# Altium PCB CM3_IO_V1.3_20220317.PcbDoc (part 7 of 7)
Units mil, origin at the board's own origin, x right, y up, seen from the top; angles counter-clockwise.
Board outline 6299.61 x 3544.09 mil, 4 copper layers (Top, GND, Power, Bottom), stack 35.4 mil thick; 551 components, 415 nets, 1958 pads, 2673 vias.
Unrouted connection lines stored in the file: 298.
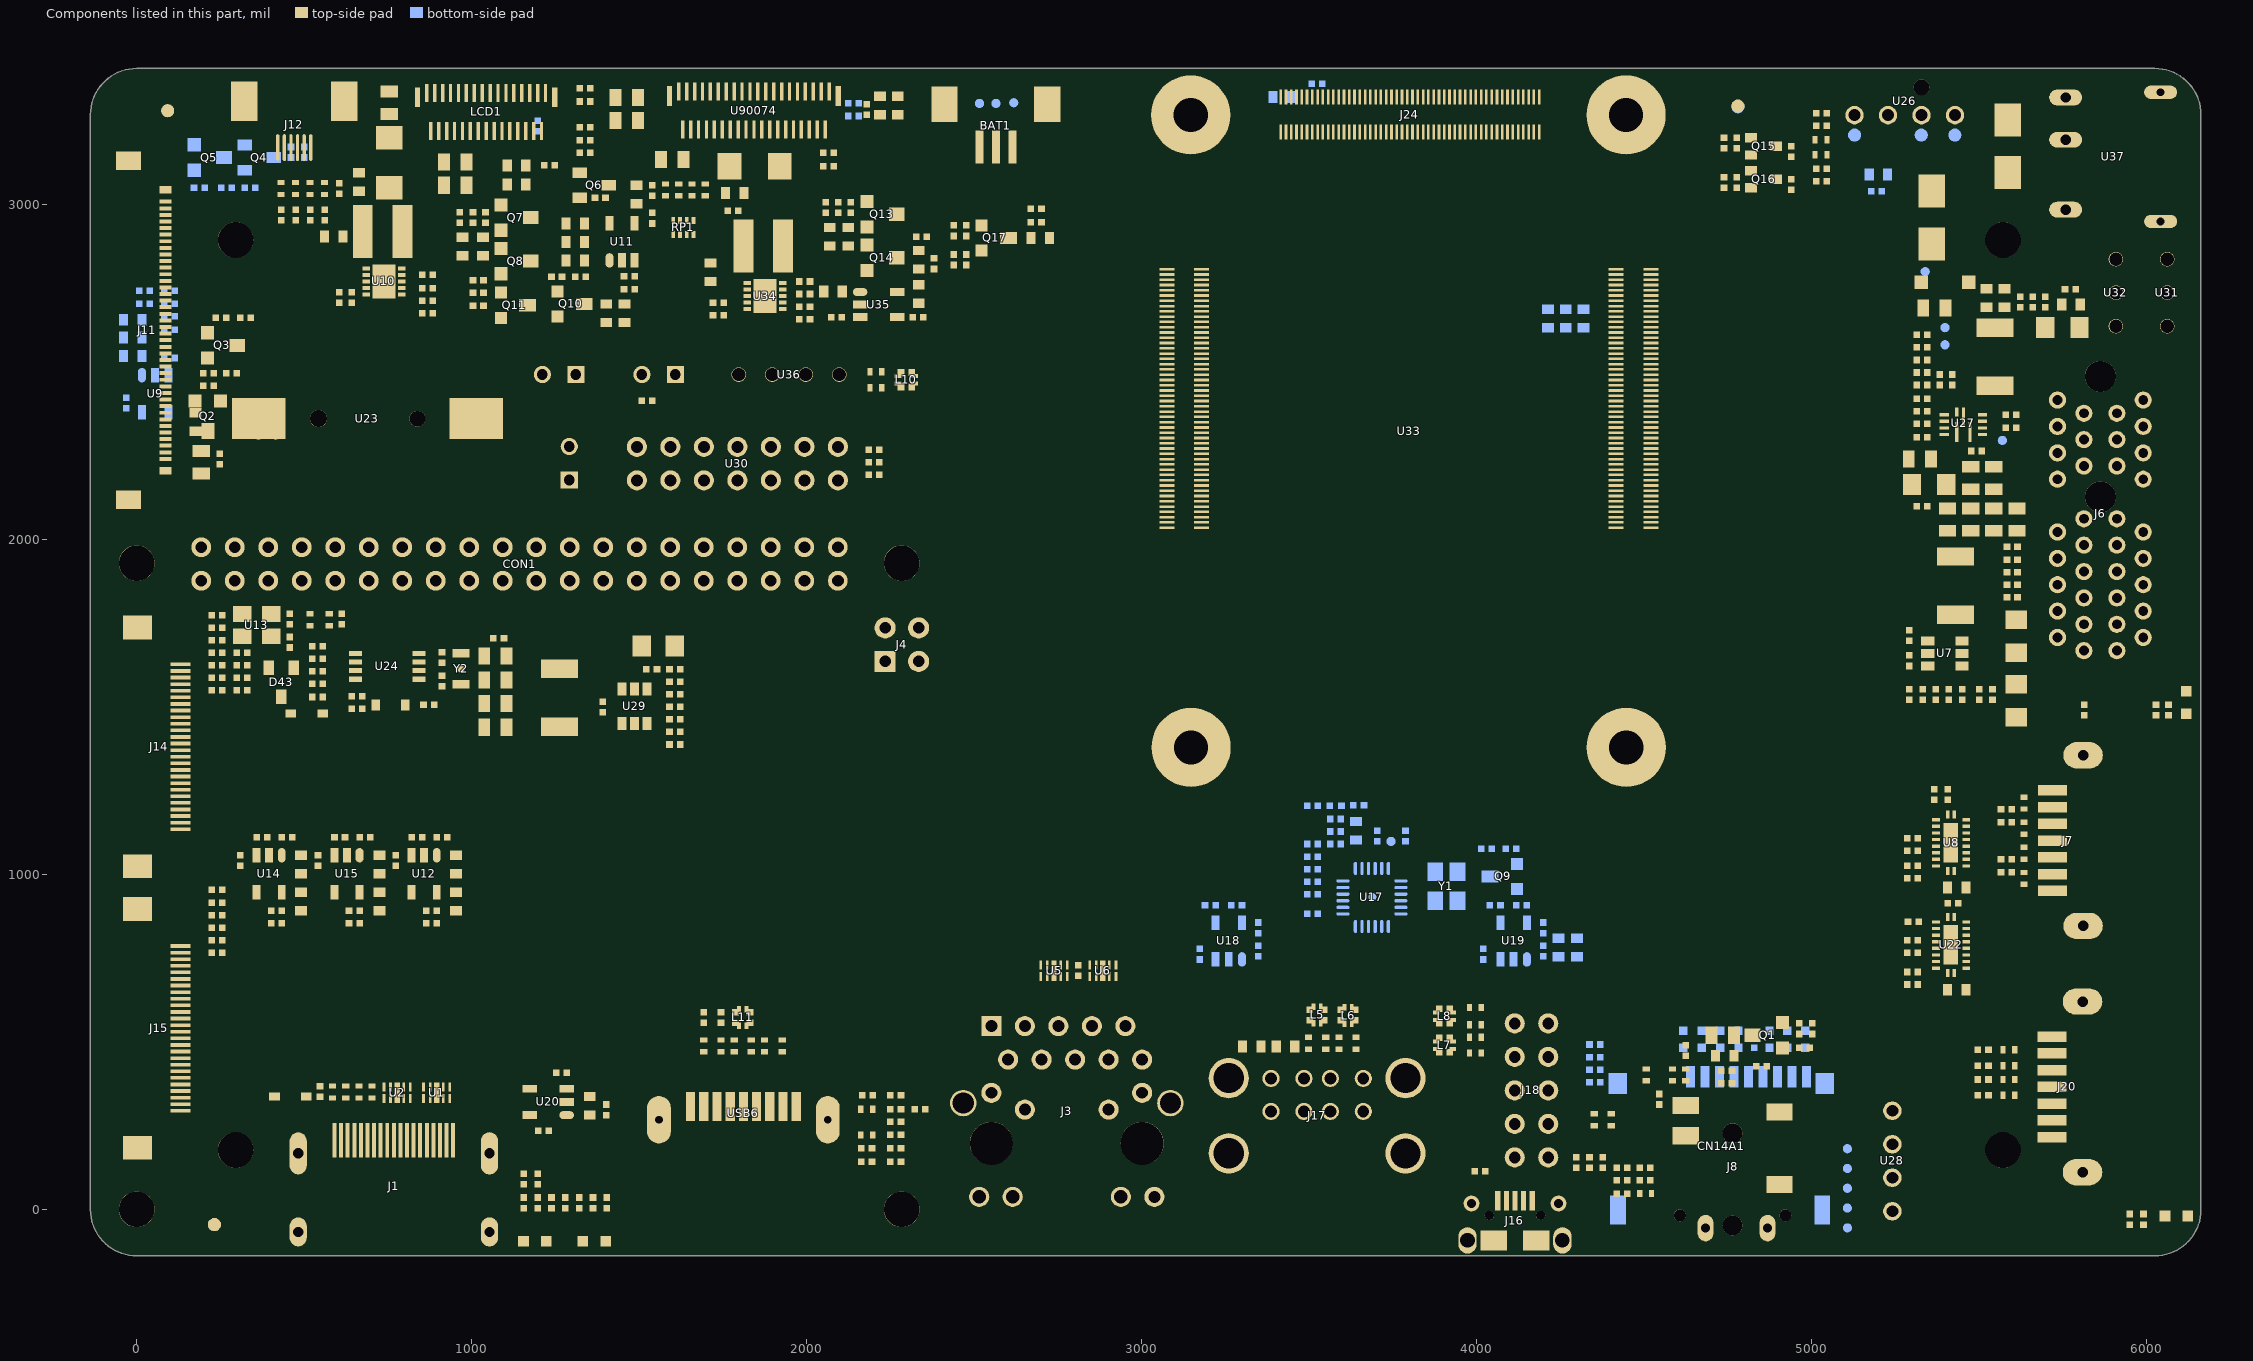
[diagram p9: the components of this part, seen from the top]

## Keep-outs (continued)
Bottom:
  region: 2364.17,1627.95 2372.05,1627.95 2372.05,1734.25 2364.17,1734.25 2364.17,1627.95
  region: 5269.69,3232.28 5437.01,3232.28 5437.01,3265.75 5269.69,3265.75 5269.69,3232.28
  region: 74.8,2968.5 47.24,2968.5 47.24,2750 74.8,2750 74.8,2968.5
  region: 3486.22,1627.95 4165.35,1627.95 4165.35,1562.99 3486.22,1562.99 3486.22,1627.95
  region: 4037.4,2948.82 4086.61,2948.82 4086.61,2954.72 4037.4,2954.72 4037.4,2948.82
  region: 1061.02,3078.74 2966.54,3078.74 2966.54,2862.2 1061.02,2862.2 1061.02,3078.74
  region: 1015.75,3259.84 1137.8,3259.84 1137.8,2996.06 1015.75,2996.06 1015.75,3259.84
  region: 956.69,3194.88 1009.84,3194.88 1009.84,3185.04 956.69,3185.04 956.69,3194.88
  region: 2448.82,1190.94 2468.5,1190.94 2468.5,1135.83 2448.82,1135.83 2448.82,1190.94
  region: 1905.51,3212.6 1964.57,3212.6 1964.57,3169.29 1905.51,3169.29 1905.51,3212.6
  region: 4187.01,2683.07 4397.64,2683.07 4397.64,2633.86 4187.01,2633.86 4187.01,2683.07
  region: 5125.98,3157.48 5198.82,3157.48 5198.82,3175.2 5125.98,3175.2 5125.98,3157.48
  region: 1356.3,2694.88 1370.08,2694.88 1370.08,2665.35 1356.3,2665.35 1356.3,2694.88
  region: 5261.81,3232.28 5277.56,3232.28 5277.56,3257.87 5261.81,3257.87 5261.81,3232.28
  region: 3675.2,2897.64 3921.26,2897.64 3921.26,2856.3 3675.2,2856.3 3675.2,2897.64
  region: 1988.19,3127.95 2919.29,3127.95 2919.29,3086.61 1988.19,3086.61 1988.19,3127.95
Keep-Out Layer:
  the board outline again, w3.94

## Other copper
Top:
  region net VCC12V_DCIN: 5326.77,2277.56 5171.26,2277.56 5171.26,2080.71 5326.77,2080.71 5326.77,2277.56
  region net VBUS: 4592.52,3177.17 4631.89,3177.17 4631.89,3139.76 4592.52,3139.76 4592.52,3177.17
  region net VCC5V_P: 1464.57,2795.28 1403.54,2795.28 1403.54,2690.94 1464.57,2690.94 1464.57,2795.28
  region net BAT_3V7_LOSE: 3553.15,3261.81 3590.55,3261.81 3590.55,3342.52 3553.15,3342.52 3553.15,3261.81
  region net VCC12V_DCIN: 5322.83,2561.02 5265.75,2561.02 5265.75,2663.39 5322.83,2663.39 5322.83,2561.02
  region net VCC5V0_USB1: 3342.52,755.91 3419.29,755.91 3419.29,267.72 3342.52,267.72 3342.52,755.91
  region net VCC5V_P: 1311.02,2685.04 1474.41,2685.04 1474.41,2716.54 1311.02,2716.54 1311.02,2685.04
  region net N17840574: 5318.9,2990.16 5456.69,2990.16 5523.62,3057.09 5523.62,3139.76 5610.24,3226.38 5807.09,3226.38 5807.09,3368.11 5525.59,3368.11 5466.54,3309.06 5466.54,3251.97 5444.88,3230.31 5318.9,3230.31 5318.9,2990.16
  region net VCC3V3_SYS: 2051.18,2891.73 2090.55,2891.73 2090.55,2803.15 2051.18,2803.15 2051.18,2891.73
  region net VCC12V: 208.66,2505.91 145.67,2505.91 145.67,2364.17 208.66,2364.17 208.66,2505.91
  region net VCC5V_P: 1360.24,2822.83 1427.17,2822.83 1427.17,2692.91 1360.24,2692.91 1360.24,2822.83
  region net VCC3V3_SYS: 942.91,1167.32 968.5,1167.32 968.5,1127.95 942.91,1127.95 942.91,1167.32
  region net VCC3V3_SD_1: 4750,545.28 4789.37,545.28 4789.37,322.83 4750,322.83 4750,545.28
  region net BAT_3V7_LOSE: 2537.4,3289.37 2578.74,3289.37 2578.74,3120.08 2537.4,3120.08 2537.4,3289.37
  region net N17840574: 5543.31,3194.88 5657.48,3194.88 5716.54,3253.94 5716.54,3267.72 5543.31,3267.72 5543.31,3194.88
  region net VCC3V3_SYS: 992.13,2860.24 950.79,2860.24 950.79,2791.34 992.13,2791.34 992.13,2860.24
  region net VCC5V0_USB: 2106.3,2803.15 2143.7,2803.15 2143.7,2889.76 2106.3,2889.76 2106.3,2803.15
  region net USB_5V_IN: 3466.54,3364.17 3425.2,3364.17 3425.2,3261.81 3466.54,3261.81 3466.54,3364.17
  region net N19662232: 277.56,2505.91 220.47,2505.91 220.47,2391.73 277.56,2391.73 277.56,2505.91
  region net N19638712: 1379.92,1505.91 1462.6,1505.91 1462.6,1547.24 1379.92,1547.24 1379.92,1505.91
  region net N17923771: 594.49,3041.34 622.05,3041.34 635.83,3055.12 704.72,3055.12 704.72,2840.55 671.26,2840.55 663.39,2832.68 663.39,2801.18 669.29,2795.28 694.88,2795.28 694.88,2783.46 620.08,2783.46 594.49,2809.06 594.49,3041.34
  region net BAT_3V7_PLUS: 3505.91,3342.52 3543.31,3342.52 3543.31,3261.81 3505.91,3261.81 3505.91,3342.52
  region net +5V_INPUT: 4498.03,2716.54 4620.08,2716.54 4620.08,2629.92 4498.03,2629.92 4498.03,2716.54
  region net N19323495: 5458.66,2334.65 5446.85,2334.65 5446.85,2480.31 5458.66,2492.13 5639.76,2492.13 5639.76,2409.45 5484.25,2409.45 5458.66,2383.86 5458.66,2334.65
  region net VCC5V0_USB: 641.73,3078.74 685.04,3078.74 685.04,3145.67 641.73,3145.67 641.73,3078.74
  region net VCC_LCD_MIPI: 1147.64,2938.98 1147.64,3147.64 1155.51,3155.51 1194.88,3155.51 1202.76,3163.39 1202.76,3248.03 1214.57,3259.84 1214.57,3360.24 1232.28,3360.24 1232.28,2938.98 1147.64,2938.98
  region net +3V3: 4438.98,2677.17 4336.61,2677.17 4336.61,2698.82 4438.98,2698.82 4438.98,2677.17
  region net VCC_LEDK1: 942.91,3360.24 907.48,3360.24 907.48,3265.75 917.32,3255.91 917.32,3185.04 893.7,3161.42 893.7,3029.53 954.72,3029.53 954.72,3293.31 942.91,3305.12 942.91,3360.24
  region net VCC_1V8_1: 1318.9,2978.35 1423.23,2978.35 1423.23,2870.08 1318.9,2870.08 1318.9,2978.35
  region net 5V0_USB30: 1710.63,253.94 1679.13,253.94 1669.29,244.09 1635.83,244.09 1620.08,228.35 1620.08,188.98 1608.27,177.17 1541.34,177.17 1423.23,295.28 1366.14,295.28 1366.14,216.54 1399.61,216.54 1498.03,118.11 1671.26,118.11 1710.63,157.48 1710.63,253.94
  region net VCC12V_DCIN: 5283.46,2261.81 5171.26,2261.81 5171.26,2933.07 5283.46,2933.07 5283.46,2261.81
  region net N17923199: 954.72,2925.2 1055.12,2925.2 1055.12,2885.83 954.72,2885.83 954.72,2925.2
  region net N17810979: 5785.43,1694.88 5838.58,1694.88 5838.58,1496.06 5785.43,1496.06 5785.43,1694.88
  region net VCC5V0_USB: 1149.61,202.76 1210.63,202.76 1210.63,295.28 1149.61,295.28 1149.61,202.76
  region net VCC12V_LCD: 68.9,2324.8 110.24,2324.8 133.86,2348.43 257.87,2348.43 257.87,2246.06 120.08,2246.06 112.2,2253.94 68.9,2253.94 68.9,2324.8
  region net VCC12V: 5429.13,1673.23 5486.22,1673.23 5509.84,1696.85 5645.67,1696.85 5685.04,1736.22 5763.78,1736.22 5763.78,1539.37 5488.19,1539.37 5488.19,1631.89 5474.41,1645.67 5429.13,1645.67 5429.13,1673.23
  region net +5V_INPUT: 5490.16,2600.39 5724.41,2600.39 5724.41,2706.69 5490.16,2706.69 5490.16,2600.39
  region net VCC3V3_SYS: 1084.65,1409.45 1366.14,1409.45 1366.14,1480.31 1084.65,1480.31 1084.65,1409.45
  region net N17923199: 992.13,2954.72 1108.27,2954.72 1108.27,2901.57 992.13,2901.57 992.13,2954.72
  region net VCC_LEDA1: 895.67,3360.24 895.67,3263.78 883.86,3251.97 883.86,3163.39 694.88,3163.39 694.88,3287.4 805.12,3287.4 812.99,3279.53 852.36,3279.53 856.3,3283.46 856.3,3360.24 895.67,3360.24
  region net VCC3V3_SD_1: 4750,547.24 4848.43,547.24 4848.43,417.32 4750,417.32 4750,547.24
  region net N17813952: 5374.02,1803.15 5374.02,1683.07 5482.28,1683.07 5509.84,1710.63 5509.84,1803.15 5374.02,1803.15
  region net VCC12V_DCIN: 5352.36,2627.95 5261.81,2627.95 5261.81,2929.13 5352.36,2929.13 5352.36,2627.95
  region net VBUS: 4015.75,124.02 4070.87,124.02 4070.87,7.87 4015.75,7.87 4015.75,124.02
  region net VCC_LEDK2: 1462.6,3346.46 1462.6,3222.44 1515.75,3222.44 1515.75,3346.46 1462.6,3346.46
  region net N17929106: 1781.5,3053.15 1840.55,3053.15 1840.55,2929.13 1781.5,2929.13 1781.5,3053.15
  region net N17841777: 661.42,1543.31 726.38,1543.31 726.38,1484.25 661.42,1484.25 661.42,1543.31
  region net N17923777: 781.5,2783.46 832.68,2783.46 832.68,3084.65 714.57,3084.65 714.57,3013.78 761.81,2966.54 761.81,2840.55 781.5,2820.87 781.5,2783.46
  region net VCC12V: 1500,1533.46 1472.44,1533.46 1472.44,1647.64 1466.54,1653.54 1403.54,1653.54 1403.54,1714.57 1535.43,1714.57 1535.43,1608.27 1500,1572.83 1500,1533.46
  region net VCC3V3_SYS: 1084.65,1718.5 1159.45,1718.5 1159.45,1409.45 1084.65,1409.45 1084.65,1718.5
  region net 5V0_USB30: 1259.84,295.28 1259.84,216.54 1421.26,216.54 1423.23,214.57 1423.23,295.28 1259.84,295.28
  region net +1V8: 4438.98,2708.66 4336.61,2708.66 4336.61,2730.31 4438.98,2730.31 4438.98,2708.66
  region net N17929106: 1694.88,2809.06 1767.72,2809.06 1777.56,2799.21 1777.56,2746.06 1783.46,2740.16 1832.68,2740.16 1832.68,2751.97 1809.06,2751.97 1803.15,2757.87 1803.15,2781.5 1811.02,2789.37 1840.55,2789.37 1840.55,3043.31 1781.5,3043.31 1781.5,2960.63 1775.59,2954.72 1706.69,2954.72 1694.88,2942.91 1694.88,2809.06
  region net VCC5V0_USB: 1015.75,2198.82 1163.39,2198.82 1163.39,2139.76 1015.75,2139.76 1015.75,2198.82
  region net VCC12V: 5438.98,2350.39 5427.17,2350.39 5427.17,2303.15 5391.73,2267.72 5391.73,2220.47 5372.05,2200.79 5372.05,2129.92 5435.04,2129.92 5435.04,2181.1 5442.91,2188.98 5586.61,2188.98 5586.61,2244.09 5496.06,2244.09 5486.22,2253.94 5486.22,2275.59 5456.69,2275.59 5438.98,2293.31 5438.98,2350.39
  region net GND: 3271.65,1450.79 3202.76,1450.79 3202.76,1312.99 3271.65,1312.99 3271.65,1450.79
  region net VCC5V0_USB2: 4246.06,523.62 4188.98,523.62 4188.98,765.75 4246.06,765.75 4246.06,523.62
  region net VCC5V0_USB: 5771.65,2598.43 5866.14,2598.43 5866.14,2757.87 5771.65,2757.87 5771.65,2598.43
  region net N17929067: 2051.18,2944.88 2200.79,2944.88 2200.79,2911.42 2051.18,2911.42 2051.18,2944.88
  region net VCC_LCD_MIPI_2: 2244.09,2950.79 2309.06,2950.79 2309.06,3281.5 2244.09,3281.5 2244.09,2950.79
  region net VBUS: 4482.28,570.87 4521.65,570.87 4521.65,503.94 4482.28,503.94 4482.28,570.87
  region net VCC3V3_LCD0: 104.33,2681.1 53.15,2681.1 53.15,2606.3 104.33,2606.3 104.33,2681.1
  region net VCC5V_P: 1318.9,2858.27 1427.17,2858.27 1427.17,2809.06 1318.9,2809.06 1318.9,2858.27
  region net N19638712: 1462.6,1533.46 1206.69,1533.46 1206.69,1643.7 1462.6,1643.7 1462.6,1533.46
  region net VCC12V_DCIN: 5645.67,3143.7 5543.31,3143.7 5543.31,3027.56 5700.79,3027.56 5700.79,3088.58 5645.67,3143.7
  region net VCC5V_P: 2092.52,2763.78 2198.82,2763.78 2198.82,2722.44 2092.52,2722.44 2092.52,2763.78
  region net VCC5V0_USB: 1011.81,2860.24 1053.15,2860.24 1053.15,2791.34 1011.81,2791.34 1011.81,2860.24
  region net VCC5V0_USB: 1694.88,2785.43 1765.75,2785.43 1765.75,2744.09 1694.88,2744.09 1694.88,2785.43
  region net N17929109: 1919.29,2740.16 1919.29,2779.53 1907.48,2791.34 1895.67,2791.34 1895.67,2911.42 1850.39,2956.69 1850.39,3153.54 1960.63,3153.54 1960.63,2740.16 1919.29,2740.16
  region net BAT_3V7_PLUS: 2598.43,3291.34 2637.8,3291.34 2637.8,3122.05 2598.43,3122.05 2598.43,3291.34
  region net N19638714: 1375.98,1494.09 1462.6,1494.09 1462.6,1409.45 1375.98,1409.45 1375.98,1494.09
  region net N17929067: 2120.08,2978.35 2200.79,2978.35 2200.79,2911.42 2120.08,2911.42 2120.08,2978.35
  region net VCC5V0_USB: 1421.26,2663.39 1236.22,2663.39 1236.22,2625.98 1421.26,2625.98 1421.26,2663.39
  region net 5V0_USB30: 1710.63,352.36 1675.2,352.36 1675.2,224.41 1710.63,224.41 1710.63,352.36
  region net VCC_LEDA2: 1624.02,3364.17 1624.02,3285.43 1635.83,3273.62 1635.83,3190.94 1669.29,3157.48 1805.12,3157.48 1805.12,3074.8 1720.47,3074.8 1687.01,3108.27 1604.33,3108.27 1594.49,3118.11 1594.49,3267.72 1612.2,3285.43 1612.2,3364.17 1624.02,3364.17
  region net VCC3V3_PCIE: 5372.05,2051.18 5561.02,2051.18 5561.02,1921.26 5372.05,1921.26 5372.05,2051.18
  region net N17929067: 2082.68,2984.25 2143.7,2984.25 2143.7,2925.2 2082.68,2925.2 2082.68,2984.25
  region net VCC5V0_USB: 1236.22,2685.04 1303.15,2685.04 1303.15,2631.89 1236.22,2631.89 1236.22,2685.04
  region net VCC12V_DCIN: 5413.39,2933.07 5181.1,2933.07 5181.1,2812.99 5413.39,2812.99 5413.39,2933.07
  region net VCC_LCD_MIPI_2: 2273.62,3281.5 2074.8,3281.5 2074.8,3305.12 2059.06,3305.12 2059.06,3273.62 2096.46,3236.22 2228.35,3236.22 2263.78,3200.79 2273.62,3200.79 2273.62,3281.5
  text "160.1mm" at 2850.6,3545.18 h50
  text "90.0mm" at -441.95,1596.36 h50
Power:
  region net VCC5V0_USB: 1728.35,2767.72 1767.72,2767.72 1767.72,2746.06 1728.35,2746.06 1728.35,2767.72
  region net VBUS: 3287.4,3358.27 3401.57,3358.27 3401.57,3305.12 3287.4,3305.12 3287.4,3358.27
  region net VCC12V: 5694.88,1748.03 5767.72,1748.03 5767.72,1665.35 5694.88,1665.35 5694.88,1748.03
  region net VBUS: 4592.52,3177.17 4631.89,3177.17 4631.89,3149.61 4592.52,3149.61 4592.52,3177.17
  region net VCC5V0_USB: 159.45,2015.75 332.68,2015.75 332.68,1937.01 159.45,1937.01 159.45,2015.75
  region net VCC5V0_USB: 2106.3,2840.55 2145.67,2840.55 2145.67,2812.99 2106.3,2812.99 2106.3,2840.55
  region net BAT_3V7_LOSE: 2537.4,3275.59 2576.77,3275.59 2576.77,3248.03 2537.4,3248.03 2537.4,3275.59
Bottom:
  region net VCC5V0_USB: 1124.02,2177.17 1163.39,2177.17 1163.39,2147.64 1124.02,2147.64 1124.02,2177.17
  region net VCC5V0_USB: 4159.45,921.26 4218.5,921.26 4218.5,846.46 4159.45,846.46 4159.45,921.26
  region net GND: 3273.62,3289.37 3273.62,3220.47 3200.79,3147.64 3088.58,3147.64 3015.75,3220.47 3015.75,3289.37 3273.62,3289.37
  region net VCC5V0_USB: 1011.81,2183.07 1051.18,2183.07 1051.18,2149.61 1011.81,2149.61 1011.81,2183.07
  region net BAT_3V7_PLUS: 2598.43,3255.91 2639.76,3255.91 2639.76,3316.93 2598.43,3316.93 2598.43,3255.91
  region net VCC3V3_SYS: 1084.65,1696.85 1127.95,1696.85 1127.95,1460.63 1084.65,1460.63 1084.65,1696.85
  region net VCC12V_DCIN: 5702.76,3027.56 5517.72,3027.56 5437.01,2946.85 5437.01,2830.71 5242.13,2830.71 5242.13,3003.94 5377.95,3139.76 5649.61,3139.76 5702.76,3086.61 5702.76,3027.56
  region net VCC5V0_USB: 4137.8,834.65 4181.1,834.65 4181.1,921.26 4137.8,921.26 4137.8,834.65
  region net TR0: 2277.56,421.26 2299.21,421.26 2299.21,385.83 2277.56,385.83 2277.56,421.26
  region net VCC5V0_USB: 592.52,2187.01 592.52,2143.7 631.89,2143.7 631.89,2187.01 592.52,2187.01
  region net VCC_LEDK2: 1462.6,3334.65 1685.04,3334.65 1685.04,3238.19 1462.6,3238.19 1462.6,3334.65
  region net VCC12V: 5748.03,1537.4 5937.01,1537.4 5937.01,1624.02 5748.03,1624.02 5748.03,1537.4
  region net VCC5V0_USB: 5844.49,2679.13 5783.46,2679.13 5783.46,2631.89 5824.8,2590.55 5827.76,2593.5 5866.14,2593.5 5866.14,2657.48 5844.49,2679.13
  region net VCC3V3_SYS: -43.31,2403.54 31.5,2403.54 31.5,2322.83 -43.31,2322.83 -43.31,2403.54
  region net VCC5V_P: 2185.04,2763.78 2210.63,2763.78 2210.63,2724.41 2185.04,2724.41 2185.04,2763.78
  region net BAT_3V7_LOSE: 2537.4,3253.94 2578.74,3253.94 2578.74,3316.93 2537.4,3316.93 2537.4,3253.94
  region net GND: 3021.65,3381.89 3096.46,3381.89 3096.46,3218.5 3021.65,3218.5 3021.65,3381.89
  region net VCC12V: 5391.73,2275.59 5452.76,2275.59 5452.76,2194.88 5391.73,2194.88 5391.73,2275.59
  region net VCC3V3_LCD0: 94.49,2681.1 94.49,2584.65 0,2584.65 0,2681.1 94.49,2681.1
  region net TR3: 2427.17,462.6 2448.82,462.6 2448.82,427.17 2427.17,427.17 2427.17,462.6
  region net VCC3V3_SD_1: 4751.97,429.13 4787.4,429.13 4787.4,322.83 4751.97,322.83 4751.97,429.13
  region net +5V_INPUT: 4545.28,2704.72 4657.48,2704.72 4657.48,2610.24 4545.28,2610.24 4545.28,2704.72
  region net VCC12V: 5253.94,3295.28 5216.54,3295.28 5198.82,3277.56 5198.82,3021.65 5244.09,3021.65 5261.81,3039.37 5261.81,3287.4 5253.94,3295.28
  region net VCC3V3_LCD0: 0,2596.46 33.46,2596.46 33.46,2468.5 0,2468.5 0,2596.46
  region net VCC5V0_USB: 657.48,3145.67 683.07,3145.67 683.07,3106.3 657.48,3106.3 657.48,3145.67
  region net VCC_LCD_MIPI_2: 2096.46,3269.68 2057.09,3269.68 2057.09,3311.02 2023.62,3344.49 2055.12,3344.49 2055.12,3342.52 2096.46,3301.18 2096.46,3269.68
  region net 5V0_USB30: 1675.2,267.72 1710.63,267.72 1710.63,226.38 1675.2,226.38 1675.2,267.72
  region net VCC5V0_USB: 3287.4,921.26 3366.14,921.26 3366.14,846.46 3287.4,846.46 3287.4,921.26
  region net GND: 3057.09,3397.64 3273.62,3397.64 3273.62,3238.19 3057.09,3238.19 3057.09,3397.64
  region net VCC5V0_USB1: 3287.4,767.72 3413.39,767.72 3413.39,718.5 3287.4,718.5 3287.4,767.72
  region net VCC5V0_USB: 1383.86,2663.39 1346.46,2663.39 1346.46,2624.02 1383.86,2624.02 1383.86,2663.39
  region net +5V_INPUT: 5722.44,2688.98 5501.97,2688.98 5501.97,2610.24 5722.44,2610.24 5722.44,2688.98
  region net VCC5V0_USB2: 4137.8,767.72 4318.9,767.72 4318.9,716.54 4137.8,716.54 4137.8,767.72
  region net VCC5V0_USB: 1011.81,2830.71 1051.18,2830.71 1051.18,2799.21 1011.81,2799.21 1011.81,2830.71
  region net VBUS: 3287.4,3358.27 3405.51,3358.27 3405.51,3301.18 3287.4,3301.18 3287.4,3358.27
  region net USB_5V_IN: 3425.2,3364.17 3466.54,3364.17 3466.54,3261.81 3425.2,3261.81 3425.2,3364.17
  region net VCC12V: 5706.69,1732.28 5765.75,1732.28 5765.75,1537.4 5706.69,1537.4 5706.69,1732.28
  region net VCC5V0_USB: 3287.4,834.65 3330.71,834.65 3330.71,921.26 3287.4,921.26 3287.4,834.65
  region net VCC12V: 5421.26,2194.88 5584.65,2194.88 5584.65,2250 5421.26,2250 5421.26,2194.88
  region net VCC5V_P: 1395.67,2724.41 1362.2,2724.41 1362.2,2685.04 1395.67,2685.04 1395.67,2724.41
  region net VCC5V0_USB: 1736.22,2783.46 1767.72,2783.46 1767.72,2744.09 1736.22,2744.09 1736.22,2783.46
GND (plane layer: these items are gaps in the copper):
  lines w3.94: -155.51,-157.48 6181.1,-157.48 6181.1,3423.23 -155.51,3423.23 -155.51,-157.48
Multi-Layer:
  lines w1: 80.71,-137.8 80.74,-137.8 ; 6161.42,3255.91 6161.44,3255.91 ; -139.76,3370.08 -139.74,3370.08 ; 62.99,3405.51 63.02,3405.51
  lines w3.94: 5970.47,3163.39 5970.47,3222.44 6031.5,3222.44 6031.5,3163.39 5970.47,3163.39
  lines w10: -337.4,-137.8 30.71,-137.8 ; -337.4,3405.51 12.99,3405.51 ; -287.4,1566.36 -287.4,-137.8 ; -287.4,1701.36 -287.4,3405.51 ; -139.76,3420.08 -139.76,3632.68 ; 2820.6,3582.68 -139.76,3582.68 ; 3201.05,3582.68 6161.42,3582.68 ; 6161.42,3305.91 6161.42,3632.68 ; -287.4,-137.8 -262.4,-37.8 -312.4,-37.8 -287.4,-137.8 ; -287.4,3405.51 -312.4,3305.51 -262.4,3305.51 -287.4,3405.51 ; -139.76,3582.68 -39.76,3557.68 -39.76,3607.68 -139.76,3582.68 ; 6161.42,3582.68 6061.42,3607.68 6061.42,3557.68 6161.42,3582.68

## Silkscreen, mask and mechanical layers (free items; w line width, h text height)
Silkscreen Top:
  drawing of 234743 lines, arcs and shapes, not listed
  text "FAN" at 4958.66,3311.02 h23.62
  text "BAT_3V7" at 2828.74,3188.98 h23.62 r90
  text "MIPI_LCD_1" at 1066.93,3153.54 h19.68
  text "MIPI_LCD_2" at 2141.73,3153.54 h23.62 r90
  text "TP_1" at 234.25,3118.11 h23.62
  text "Connector3" at 3690.94,3110.24 h23.62
  text "TS" at 2523.62,3035.43 h23.62 r90
  text "GND" at 5129.92,3029.53 h23.62 r90
  text "12V" at 5177.17,3029.53 h23.62 r90
  text "PWM" at 5271.65,3021.65 h23.62 r90
  text "TACH" at 5224.41,3013.78 h23.62 r90
  text "BAT-" at 2580.71,3011.81 h23.62 r90
  text "BAT+" at 2641.73,3009.84 h23.62 r90
  text "EDR_LCD" at 190.94,2887.8 h23.62 r90
  text "12V_DC" at 5661.42,2874.02 h23.62
  text "input" at 5685.04,2824.8 h23.62
  text "BAT_RTC" at 387.8,2685.04 h23.62
  text "5V" at 2116.14,2576.77 h23.62 r90
  text "DP" at 1911.42,2572.83 h23.62 r90
  text "DM" at 2011.81,2572.83 h23.62 r90
  text "SPK" at 1230.31,2557.09 h23.62
  text "MIC" at 1535.43,2557.09 h23.62
  text "GND" at 1809.06,2555.12 h23.62 r90
  text "USB2.0" at 2171.26,2541.34 h23.62
  text "Connector1" at 4342.52,2368.11 h23.62 r90
  text "Recovery" at 1210.63,2352.36 h23.62
  text "Connector2" at 3273.62,2352.36 h23.62 r90
  text "GND" at 2005.91,2342.52 h23.62 r90
  text "Power_Key" at 2275.59,2287.4 h23.62
  text "PCIE_x1" at 6096.46,2037.4 h23.62 r90
  text "GND" at 409.45,2017.72 h19.68 r90
  text "TX" at 505.91,2017.72 h19.68 r90
  text "RX" at 604.33,2017.72 h19.68 r90
  text "POE" at 2253.94,1492.13 h23.62
  text "V1.3" at 1785.43,1431.1 h39.37
  text "Camera_1" at 224.41,1269.68 h23.62 r90
  text "ROCK3 Compute Module IO Board" at 3153.54,893.7 h49.21
  text "5V" at 4094.49,824.8 h23.62
  text "5V" at 4198.82,824.8 h23.62
  text "SATA1" at 5633.86,793.31 h23.62 r90
  text "DM" at 4094.49,777.56 h23.62
  text "DM" at 4198.82,777.56 h23.62
  text "DP" at 4094.49,732.28 h23.62
  text "DP" at 4198.82,732.28 h23.62
  text "GND" at 4074.8,685.04 h23.62
  text "GND" at 4179.13,681.1 h23.62
  text "Ethernet" at 2466.54,647.64 h23.62
  text "NC" at 4090.55,631.89 h23.62
  text "NC" at 4192.91,627.95 h23.62
  text "SATA2" at 5629.92,596.46 h23.62 r90
  text "USB2.0" at 3293.31,535.43 h23.62
  text "USB3.0" at 1421.26,440.94 h23.62
  text "Camera_2" at 222.44,437.01 h23.62 r90
  text "Ext_PSU" at 5165.35,372.05 h23.62
  text "PHONE" at 4818.9,348.43 h23.62
  text "12V" at 5368.11,279.53 h23.62
  text "HDMI" at 444.88,255.91 h23.62
  text "GND" at 5368.11,177.17 h23.62
  text "External_USB" at 3948.82,155.51 h23.62 r90
  text "GND" at 5368.11,76.77 h23.62
  text "5V" at 5379.92,-19.69 h23.62
  text "USB_OTG" at 4324.8,-104.33 h23.62
Silkscreen Bottom:
  text "TF" at 4562.99,464.57 h23.62
Drill Drawing:
  lines w3.94: 5970.47,3163.39 5970.47,3222.44 6031.5,3222.44 6031.5,3163.39 5970.47,3163.39
Layer_103:
  drawing of 25203 lines, arcs and shapes, not listed
Layer_104:
  lines w1: 2368.11,622.05 2368.11,3393.7 5251.97,3393.7 5251.97,622.05 2368.11,622.05